# Allegro board 038RT-9068CJK8E-A100_0921.brd (continued)
## Placement (name value [footprint] x y rotation side) (continued)
SLOT5-DOWN  LPC128_27X6X2_SLOT05  [PG_3680_LPC128_A_SLOT5]  345.3 236.22 0 top
SLOT5-UP  LPC128_27X6X2_SLOT05  [PG_3680_LPC128_B_SLOT5]  345.3 236.22 0 top
SLOT6-DOWN  LPC128_27X6X2_SLOT06  [PG_3680_LPC128_A_SLOT6]  345.3 236.22 0 top
SLOT6-UP  LPC128_27X6X2_SLOT06  [PG_3680_LPC128_B_SLOT6]  345.3 236.22 0 top
SLOT7-DOWN  LPC128_27X6X2_SLOT07  [PG_3680_LPC128_A_SLOT7]  345.3 236.22 0 top
SLOT7-UP  LPC128_27X6X2_SLOT07  [PG_3680_LPC128_B_SLOT7]  345.3 236.22 0 top
SLOT16  Digital_Board  [PG_3680_EMPTY_SLOT16]  345.3 236.22 0 top
SLOT17  Digital_Board  [PG_3680_EMPTY_SLOT17]  345.3 236.22 0 top
SLOT18  SYS_Board  [PG_3680_SYS_SLOT18]  345.3 236.22 0 top
SLOT19  Digital_Board  [PG_3680_EMPTY_SLOT19]  345.3 236.22 0 top
SLOT20  Digital_Board  [PG_3680_EMPTY_SLOT20]  345.3 236.22 0 top
SLOT21  DPS32_24X6_SLOT21  [PG_3680_DPS32_SLOT21]  345.3 236.22 0 top
SLOT22  DPS32_24X6_SLOT22  [PG_3680_DPS32_SLOT22]  345.3 236.22 0 top
SLOT23  DPS32_24X6_SLOT23  [PG_3680_DPS32_SLOT23]  345.3 236.22 0 top
SLOT24  DPS32_24X6_SLOT24  [PG_3680_DPS32_SLOT24]  345.3 236.22 0 top
SPIH11  MX25L3233FM2I-08G-C-SO8/SK-SO8-1.27  [SK_SO8_1P27MM_LOTES]  190.72 34.42 180 top
SPIH21  MX25L3233FM2I-08G-C-SO8/SK-SO8-1.27  [SK_SO8_1P27MM_LOTES]  252.73 34.42 180 top
ST01  SHORT  [DEFAULT_SHORT_SMALL]  240.14 32.9 270 bottom
ST1  SHORT  [DEFAULT_SHORT_SMALL]  288.82 182.04 270 bottom
ST2  SHORT  [DEFAULT_SHORT_SMALL]  181.74 38.96 0 top
ST3  SHORT  [DEFAULT_SHORT_SMALL]  294.11 193.2 0 bottom
ST5  SHORT  [DEFAULT_SHORT_SMALL]  267.57 208.86 180 bottom
ST6  SHORT  [DEFAULT_SHORT_SMALL]  278.7 182.25 270 bottom
STB00  SHORT  [DEFAULT_SHORT_SMALL]  280.78 143.62 90 top
STB64  SHORT  [DEFAULT_SHORT_SMALL]  280.78 335.55 90 top
STG01  SHORT  [DEFAULT_SHORT_SMALL]  241.41 32.9 270 bottom
STG1  SHORT  [DEFAULT_SHORT_SMALL]  287.98 182.02 270 bottom
STG2  SHORT  [DEFAULT_SHORT_SMALL]  181.77 40.03 0 top
STG3  SHORT  [DEFAULT_SHORT_SMALL]  294.11 194.22 0 bottom
STG5  SHORT  [DEFAULT_SHORT_SMALL]  267.57 209.62 180 bottom
STG6  SHORT  [DEFAULT_SHORT_SMALL]  277.86 182.22 270 bottom
SWR1  SY8003EDFC-3A-A-DFN2X2-8  [DFN2X2_8P_1P9X0P5MM_EP]  119.28 33.62 0 top
T2  ACT1210L-201-2P-TL00  [FILTER_4P_9075AA]  64.82 192.31 0 top
T3  ACT1210L-201-2P-TL00  [FILTER_4P_9075AA]  64.82 187.1 0 top
T7  ACT1210L-201-2P-TL00  [FILTER_4P_9075AA]  248.28 206.12 0 bottom
T8  ACT1210L-201-2P-TL00  [FILTER_4P_9075AA]  240.73 202.57 180 bottom
T12  7490100161A  [TRANS_7490100161A_16P]  57.76 134.32 0 top
T13  7490100161A  [TRANS_7490100161A_16P]  57.76 114.78 0 top
T15  ACT1210L-201-2P-TL00  [FILTER_4P_9075AA]  240.73 210.19 180 bottom
T17  ACT1210L-201-2P-TL00  [FILTER_4P_9075AA]  248.28 213.74 0 bottom
T18  ACT1210G-800-2P-TL05  [FILTER_4P_9075AA]  287.2 219.69 270 bottom
T20  ACT1210L-201-2P-TL00  [FILTER_4P_9075AA]  79.61 203.02 0 bottom
T21  ACT1210L-201-2P-TL00  [FILTER_4P_9075AA]  79.61 198.32 0 bottom
T23  ACT1210G-800-2P-TL05  [FILTER_4P_9075AA]  293.8 219.69 270 bottom
T24  ACT1210G-800-2P-TL05  [FILTER_4P_9075AA]  59.89 210.62 0 top
T25  ACT1210G-800-2P-TL05  [FILTER_4P_9075AA]  59.89 215.26 0 top
TFBGA273-17X17-P0.8MM1  REF-CODE-SOCKET  [SOCKET_CODE]  72.91 496.48 0 top
TP_VN15  TP03-D  [TP_060_040]  343.7 48.72 90 top
TP_VP5A  TP03-D  [TP_060_040]  342.09 20.9 90 top
TP_VP5B  TP03-D  [TP_060_040]  350.11 20.9 90 top
TP_VP12  TP03-D  [TP_060_040]  343.7 52.35 90 top
TP_VP15  TP03-D  [TP_060_040]  343.7 39.42 90 top
TP_VP24  TP03-D  [TP_060_040]  343.7 30.12 90 top
TPL1  TPL01  [TPL_040_014_TB]  39.23 224.79 0 top
TPL2  TPL01  [TPL_040_014_TB]  39.23 222.25 0 top
TPL3  TPL01  [TPL_040_014_TB]  39.23 219.71 0 top
TPL4  TPL01  [TPL_040_014_TB]  39.23 217.17 0 top
TPL5  TPL01  [TPL_040_014_TB]  39.23 214.63 0 top
TPL6  TPL01  [TPL_040_014_TB]  39.23 212.09 0 top
TPL7  TPL01  [TPL_040_014_TB]  39.23 209.55 0 top
TPL8  TPL01  [TPL_040_014_TB]  39.23 207.01 0 top
TPL9  TPL01  [TPL_040_014_TB]  39.23 204.47 0 top
TPL10  TPL01  [TPL_040_014_TB]  39.23 201.93 0 top
TPL11  TPL01  [TPL_040_014_TB]  39.23 199.39 0 top
TPL12  TPL01  [TPL_040_014_TB]  39.23 196.85 0 top
TPL13  TPL01  [TPL_040_014_TB]  632.32 38.1 0 top
TPL14  TPL01  [TPL_040_014_TB]  632.32 35.56 0 top
TPL15  TPL01  [TPL_040_014_TB]  632.32 33.02 0 top
TPL16  TPL01  [TPL_040_014_TB]  632.32 30.48 0 top
TPL17  TPL01  [TPL_040_014_TB]  632.32 27.94 0 top
TPL18  TPL01  [TPL_040_014_TB]  636.13 41.91 0 top
TPL19  TPL01  [TPL_040_014_TB]  636.13 39.37 0 top
TPL20  TPL01  [TPL_040_014_TB]  636.13 36.83 0 top
TPL21  TPL01  [TPL_040_014_TB]  636.13 34.29 0 top
TPL22  TPL01  [TPL_040_014_TB]  636.13 31.75 0 top
TPL23  TPL01  [TPL_040_014_TB]  636.13 29.21 0 top
TPL24  TPL01  [TPL_040_014_TB]  636.13 26.67 0 top
U6  CU/PI2LVD512AE-TSSOP64  [TSOP64_280X05MM]  35.42 41.91 0 bottom
U17  CU/PI2LVD512AE-TSSOP64  [TSOP64_280X05MM]  24.94 95.25 180 bottom
U18  CU/PI2LVD512AE-TSSOP64  [TSOP64_280X05MM]  24.94 114.3 180 bottom
UB1  25LC256-SOIC8  [SO8_206X127MM]  601.48 44.72 180 bottom
UNK1BD1  BD80-5A-S8-LA  [FB0805]  405.49 188.87 180 bottom
UNK1BD2  BD80-5A-S8-LA  [FB0805]  400.93 187.39 0 bottom
UNK1BD5  BD80-5A-S8-LA  [FB0805]  390.38 206.52 270 bottom
UNK1BD8  BD80-5A-S8-LA  [FB0805]  390.38 214.39 270 bottom
UNK1BD9  BD80-5A-S8-LA  [FB0805]  422.5 202.69 90 bottom
UNK1BD10  BD80-5A-S8-LA  [FB0805]  422.5 206.62 270 bottom
UNK1BD15  BD220-3A-S8  [FB0805]  351 218.76 180 bottom
UNK1BD16  BD220-3A-S8  [FB0805]  386.38 182.25 180 bottom
UNK1BD17  BD220-3A-S8  [FB0805]  423.72 182.25 180 bottom
UNK1BD18  BD220-3A-S8  [FB0805]  431.16 221.81 180 bottom
UNK1BD19  BD80-5A-S8-LA  [FB0805]  405.49 186.33 180 bottom
UNK1BD20  BD80-5A-S8-LA  [FB0805]  405.49 183.79 180 bottom
UNK1BDG1  BD80-5A-S8-LA  [FB0805]  580.65 205.14 90 bottom
UNK1BDG2  BD80-5A-S8-LA  [FB0805]  579.16 210.33 270 bottom
UNK1BDG5  BD80-5A-S8-LA  [FB0805]  598.3 221.65 180 bottom
UNK1BDG8  BD80-5A-S8-LA  [FB0805]  606.17 221.65 180 bottom
UNK1BDG9  BD80-5A-S8-LA  [FB0805]  594.18 189.02 0 bottom
UNK1BDG10  BD80-5A-S8-LA  [FB0805]  598.11 189.02 180 bottom
UNK1BDG15  BD220-3A-S8  [FB0805]  617.71 232.99 0 bottom
UNK1BDG16  BD220-3A-S8  [FB0805]  617.71 176.16 0 bottom
UNK1BDG17  BD220-3A-S8  [FB0805]  567.55 176.21 270 top
UNK1BDG18  BD220-3A-S8  [FB0805]  573.69 227.45 270 bottom
UNK1BDG19  BD80-5A-S8-LA  [FB0805]  578.11 205.14 90 bottom
UNK1BDG20  BD80-5A-S8-LA  [FB0805]  575.57 205.14 90 bottom
UNK1BDH11  BD80-5A-S8-LA  [FB0805]  470.67 214.05 180 bottom
UNK1BDH12  BD80-5A-S8-LA  [FB0805]  470.67 216.84 180 bottom
UNK1BDH13  BD80-5A-S8-LA  [FB0805]  444.69 185.39 0 bottom
UNK1BDH14  BD80-5A-S8-LA  [FB0805]  381.93 182.25 180 bottom
UNK1BDH21  BD80-5A-S8-LA  [FB0805]  426.3 57.38 270 bottom
UNK1BDH22  BD80-5A-S8-LA  [FB0805]  426.3 52.17 90 bottom
UNK1BDH23  BD80-5A-S8-LA  [FB0805]  489.24 56.41 180 bottom
UNK1BDH24  BD80-5A-S8-LA  [FB0805]  489.24 53.14 180 bottom
UNK1C13  47U-35-Y-S6.1X5.3-MU  [CKRM55WR7YA476MH01]  587.69 25.75 90 top
UNK1C18  10U-16-X7R-S8-SS  [C0805]  593.64 51.34 0 top
UNK1C19  0.1U-16-X7R-S4-TY  [C0402]  593.19 49.11 0 top
UNK1C75  18P-50-N-S4-SS  [C0402]  604.76 193.46 0 bottom
UNK1C76  18P-50-N-S4-SS  [C0402]  606.79 193.46 180 bottom
UNK1C78  0.1U-100-X-S8  [C0805]  547.9 24.32 0 top
UNK1C79  NC/10U-100-Y-S6.1X5.3-MU  [CKRM55TR72A106MH01]  549.97 19.23 0 top
UNK1C119  1000P-2K-X-SA  [C1206]  628.37 108.18 90 top
UNK1C144  10U-16-X7R-S8-SS  [C0805]  647.94 227.6 0 bottom
UNK1C145  10U-16-X7R-S8-SS  [C0805]  660.51 220.71 180 bottom
UNK1C168  18P-50-N-S4-SS  [C0402]  439.03 214.33 90 bottom
UNK1C169  18P-50-N-S4-SS  [C0402]  439.03 212.13 270 bottom
UNK1C171  0.01U-50-X7R-S4-YA  [C0402]  636.62 140.42 90 top
UNK1C172  1000P-2K-X-SA  [C1206]  628.37 127.72 90 top
UNK1C173  10U-16-X7R-S8-SS  [C0805]  660.07 21.27 0 bottom
UNK1C174  0.1U-16-X7R-S4-TY  [C0402]  667.8 68.19 90 bottom
UNK1C175  0.01U-50-X7R-S4-YA  [C0402]  669.78 70.99 90 bottom
UNK1C176  1000P-50-N-S4-SS  [C0402]  668.51 42.74 90 bottom
UNK1C177  0.01U-50-X7R-S4-YA  [C0402]  671.05 42.74 90 bottom
UNK1C178  0.1U-16-X7R-S4-TY  [C0402]  669.78 42.74 90 bottom
UNK1C179  0.1U-50-X-S6  [C0603]  630.82 220.77 0 top
UNK1C180  0.1U-50-X-S6  [C0603]  630.82 219.37 0 top
UNK1C181  4700P-50-X7R-S4-YA  [C0402]  633.37 218.1 180 top
UNK1C182  4700P-50-X7R-S4-YA  [C0402]  633.37 222.04 180 top
UNK1C183  0.1U-50-X-S6  [C0603]  630.82 225.98 0 top
UNK1C184  0.1U-50-X-S6  [C0603]  630.82 224.58 0 top
UNK1C185  10U-16-X7R-S8-SS  [C0805]  553.58 198.41 180 bottom
UNK1C194  4700P-50-X7R-S4-YA  [C0402]  358.41 206.82 180 bottom
UNK1C195  0.1U-50-X-S6  [C0603]  363.12 206.82 180 bottom
UNK1C196  0.1U-50-X-S6  [C0603]  363.12 205.42 180 bottom
UNK1C197  4700P-50-X7R-S4-YA  [C0402]  370.6 201.86 0 bottom
UNK1C198  0.1U-50-X-S6  [C0603]  365.89 201.86 0 bottom
UNK1C199  0.1U-50-X-S6  [C0603]  365.89 203.27 0 bottom
UNK1C209  10U-16-X7R-S8-SS  [C0805]  669.46 125.92 90 bottom
UNK1C213  10U-16-X7R-S8-SS  [C0805]  445.46 199.86 180 bottom
UNK1C214  10U-16-X7R-S8-SS  [C0805]  467.68 199.86 180 bottom
UNK1C217  10U-16-X7R-S8-SS  [C0805]  553.58 214.56 180 bottom
UNK1C220  10U-16-X7R-S8-SS  [C0805]  669.46 84.65 270 bottom
UNK1C292  100U-35-E-S6.3X7.7-NI  [EC_6P3X7P7MM_S]  584 49.14 270 top
UNK1C319  0.01U-50-X7R-S4-YA  [C0402]  668.51 38.61 90 bottom
UNK1C320  0.1U-16-X7R-S4-TY  [C0402]  669.78 38.61 90 bottom
UNK1C321  1000P-50-N-S4-SS  [C0402]  668.51 20.83 90 bottom
UNK1C322  0.01U-50-X7R-S4-YA  [C0402]  665.97 20.83 90 bottom
UNK1C323  0.1U-16-X7R-S4-TY  [C0402]  667.24 20.83 90 bottom
UNK1C324  0.01U-50-X7R-S4-YA  [C0402]  636.62 120.88 90 top
UNK1C325  NC/100U-100-E-S17.2X17.2-PAN  [ECS_19P1X19P1MM]  656.68 72.76 0 top
UNK1C375  4700P-50-X7R-S4-YA  [C0402]  370.6 209.48 0 bottom
UNK1C376  0.1U-50-X-S6  [C0603]  365.89 209.48 0 bottom
UNK1C377  0.1U-50-X-S6  [C0603]  365.89 210.89 0 bottom
UNK1C379  4700P-50-X7R-S4-YA  [C0402]  358.41 214.44 180 bottom
UNK1C381  0.1U-50-X-S6  [C0603]  363.12 213.04 180 bottom
UNK1C383  0.1U-50-X-S6  [C0603]  363.12 214.44 180 bottom
UNK1C384  0.1U-50-X-S6  [C0603]  406.49 224.71 90 bottom
UNK1C385  0.1U-50-X-S6  [C0603]  407.9 224.71 90 bottom
UNK1C391  4700P-50-X-S6  [C0603]  405.64 230.56 180 bottom
UNK1C399  4700P-50-X7R-S4-YA  [C0402]  618.58 207.4 180 bottom
UNK1C401  0.1U-50-X-S6  [C0603]  616.02 213.37 0 bottom
UNK1C402  0.1U-50-X-S6  [C0603]  616.02 210.07 0 bottom
UNK1C405  0.1U-50-X-S6  [C0603]  616.02 214.77 0 bottom
UNK1C406  4700P-50-X7R-S4-YA  [C0402]  618.58 212.1 180 bottom
UNK1C407  0.1U-50-X-S6  [C0603]  616.02 208.67 0 bottom
UNK1C412  0.1U-50-X-S6  [C0603]  413.1 224.71 90 bottom
UNK1C413  0.1U-50-X-S6  [C0603]  414.5 224.71 90 bottom
UNK1C418  4700P-50-X-S6  [C0603]  412.25 230.56 180 bottom
UNK1C421  0.1U-50-X-S6  [C0603]  635.73 202.52 0 top
UNK1C422  0.1U-50-X-S6  [C0603]  635.73 201.12 0 top
UNK1C427  4700P-50-X-S6  [C0603]  642.38 202.52 0 top
UNK1C430  0.1U-50-X-S6  [C0603]  635.73 197.88 0 top
UNK1C431  0.1U-50-X-S6  [C0603]  635.73 196.48 0 top
UNK1C436  4700P-50-X-S6  [C0603]  642.38 197.88 0 top
UNK1C439  NC/4.7P-50-N-S4-MU  [C0402]  669.54 213.27 180 top
UNK1C440  NC/4.7P-50-N-S4-MU  [C0402]  676.54 213.27 180 top
UNK1C441  NC/4.7P-50-N-S4-MU  [C0402]  669.54 232.32 180 top
UNK1C442  NC/4.7P-50-N-S4-MU  [C0402]  676.54 232.32 180 top
UNK1CD1  0.1U-16-X7R-S4-TY  [C0402_UNBGA_V2]  404.1 208.62 0 bottom
UNK1CD2  0.1U-16-X7R-S4-TY  [C0402_UNBGA_V2]  404.9 207.82 0 bottom
UNK1CD3  0.1U-16-X7R-S4-TY  [C0402_UNBGA_V2]  404.9 207.02 0 bottom
UNK1CD4  0.1U-16-X7R-S4-TY  [C0402_UNBGA_V2]  404.9 206.22 0 bottom
UNK1CD5  0.1U-16-X7R-S4-TY  [C0402_UNBGA_V2]  404.9 205.42 0 bottom
UNK1CD6  0.1U-16-X7R-S4-TY  [C0402_UNBGA_V2]  406.1 203.42 270 bottom
UNK1CD7  2.2U-10-X7S-S4-MU  [C0402_UNBGA_V2]  406.9 203.42 270 bottom
UNK1CD8  2.2U-10-X7S-S4-MU  [C0402_UNBGA_V2]  404.5 211.42 270 bottom
UNK1CD9  0.1U-16-X7R-S4-TY  [C0402_UNBGA_V2]  406.1 205.02 90 bottom
UNK1CD10  0.1U-16-X7R-S4-TY  [C0402_UNBGA_V2]  404.5 209.82 90 bottom
UNK1CD11  0.1U-16-X7R-S4-TY  [C0402_UNBGA_V2]  405.3 209.02 270 bottom
UNK1CD12  0.1U-16-X7R-S4-TY  [C0402_UNBGA_V2]  405.3 211.42 270 bottom
UNK1CD13  0.1U-16-X7R-S4-TY  [C0402_UNBGA_V2]  405.3 203.42 270 bottom
UNK1CD14  0.1U-16-X7R-S4-TY  [C0402_UNBGA_V2]  406.1 209.02 270 bottom
UNK1CD15  0.1U-16-X7R-S4-TY  [C0402_UNBGA_V2]  405.53 194.75 180 bottom
UNK1CD16  2.2U-10-X7S-S4-MU  [C0402_UNBGA_V2]  400.1 207.82 0 bottom
UNK1CD17  0.1U-16-X7R-S4-TY  [C0402_UNBGA_V2]  399.7 206.62 270 bottom
UNK1CD18  2.2U-10-X7S-S4-MU  [C0402_UNBGA_V2]  406.9 211.42 270 bottom
UNK1CD19  0.1U-16-X7R-S4-TY  [C0402_UNBGA_V2]  405.53 193.92 180 bottom
UNK1CD20  10U-16-X7R-S8-SS  [C0805]  347.95 24.13 180 top
UNK1CD21  10U-16-X7R-S8-SS  [C0805]  353.03 43.18 180 top
UNK1CD22  47U-10-X7R-SB-MU  [C1210]  347.95 28.57 90 top
UNK1CD23  47U-10-X7R-SB-MU  [C1210]  353.03 28.57 90 top
UNK1CD24  NC/100U-16-T-SC  [CODE_C]  353.03 36.83 90 top
UNK1CD25  NC/100U-16-T-SC  [CODE_C]  347.95 36.83 90 top
UNK1CD26  0.1U-16-X7R-S4-TY  [C0402_UNBGA_V2]  408.9 211.02 180 bottom
UNK1CD27  0.1U-16-X7R-S4-TY  [C0402_UNBGA_V2]  404.1 213.42 0 bottom
UNK1CD28  0.1U-16-X7R-S4-TY  [C0402_UNBGA_V2]  403.7 211.42 90 bottom
UNK1CD29  0.1U-16-X7R-S4-TY  [C0402_UNBGA_V2]  403.7 200.22 90 bottom
UNK1CD30  0.1U-16-X7R-S4-TY  [C0402_UNBGA_V2]  406.9 209.82 90 bottom
UNK1CD31  0.1U-16-X7R-S4-TY  [C0402_UNBGA_V2]  410.5 210.22 0 bottom
UNK1CD32  0.1U-16-X7R-S4-TY  [C0402_UNBGA_V2]  408.9 210.22 180 bottom
UNK1CD33  0.1U-16-X7R-S4-TY  [C0402_UNBGA_V2]  406.1 200.22 90 bottom
UNK1CD34  0.1U-16-X7R-S4-TY  [C0402_UNBGA_V2]  407.7 201.82 90 bottom
UNK1CD35  0.1U-16-X7R-S4-TY  [C0402_UNBGA_V2]  401.3 200.22 90 bottom
UNK1CD36  0.1U-16-X7R-S4-TY  [C0402_UNBGA_V2]  407.7 209.82 90 bottom
UNK1CD37  0.1U-16-X7R-S4-TY  [C0402_UNBGA_V2]  406.9 201.02 90 bottom
UNK1CD38  0.1U-16-X7R-S4-TY  [C0402_UNBGA_V2]  408.9 211.82 180 bottom
UNK1CD39  2.2U-10-X7S-S4-MU  [C0402_UNBGA_V2]  408.5 201.82 90 bottom
UNK1CD40  2.2U-10-X7S-S4-MU  [C0402_UNBGA_V2]  410.1 211.42 90 bottom
UNK1CD41  2.2U-10-X7S-S4-MU  [C0402_UNBGA_V2]  400.5 200.22 90 bottom
UNK1CD42  0.1U-16-X7R-S4-TY  [C0402_UNBGA_V2]  402.9 201.02 90 bottom
UNK1CD43  2.2U-10-X7S-S4-MU  [C0402_UNBGA_V2]  400.1 210.22 180 bottom
UNK1CD44  0.1U-16-X7R-S4-TY  [C0402_UNBGA_V2]  405.3 200.22 90 bottom
UNK1CD45  10U-16-X7R-S8-SS  [C0805]  363.25 34.49 0 top
UNK1CD46  10U-16-X7R-S8-SS  [C0805]  363.25 37.01 0 top
UNK1CD47  47U-10-X7R-SB-MU  [C1210]  358.37 38.91 180 top
UNK1CD48  NC/100U-16-T-SC  [CODE_C]  360.02 29.51 180 top
UNK1CD49  47U-10-X7R-SB-MU  [C1210]  358.37 34.34 180 top
UNK1CD50  NC/100U-16-T-SC  [CODE_C]  360.02 25.07 180 top
UNK1CD51  0.1U-16-X7R-S4-TY  [C0402_UNBGA_V2]  410.5 208.62 0 bottom
UNK1CD52  0.1U-16-X7R-S4-TY  [C0402_UNBGA_V2]  407.7 212.22 270 bottom
UNK1CD53  0.1U-16-X7R-S4-TY  [C0402_UNBGA_V2]  410.5 209.42 0 bottom
UNK1CD54  0.1U-16-X7R-S4-TY  [C0402_UNBGA_V2]  410.9 212.22 270 bottom
UNK1CD55  0.1U-16-X7R-S4-TY  [C0402_UNBGA_V2]  401.3 211.42 90 bottom
UNK1CD56  0.1U-16-X7R-S4-TY  [C0402_UNBGA_V2]  402.1 211.42 90 bottom
UNK1CD57  2.2U-10-X7S-S4-MU  [C0402_UNBGA_V2]  408.5 213.02 90 bottom
UNK1CD58  0.1U-16-X7R-S4-TY  [C0402_UNBGA_V2]  402.9 211.42 90 bottom
UNK1CD59  0.1U-16-X7R-S4-TY  [C0402_UNBGA_V2]  408.9 208.62 180 bottom
UNK1CD60  0.1U-16-X7R-S4-TY  [C0402_UNBGA_V2]  409.3 201.02 270 bottom
UNK1CD61  2.2U-10-X7S-S4-MU  [C0402_UNBGA_V2]  406.5 212.62 180 bottom
UNK1CD62  2.2U-10-X7S-S4-MU  [C0402_UNBGA_V2]  400.1 211.02 180 bottom
UNK1CD63  2.2U-10-X7S-S4-MU  [C0402_UNBGA_V2]  411.7 212.22 270 bottom
UNK1CD64  2.2U-10-X7S-S4-MU  [C0402_UNBGA_V2]  404.5 201.02 270 bottom
UNK1CD65  2.2U-10-X7S-S4-MU  [C0402_UNBGA_V2]  408.9 209.42 180 bottom
UNK1CD66  2.2U-10-X7S-S4-MU  [C0402_UNBGA_V2]  400.1 211.82 180 bottom
UNK1CD67  2.2U-10-X7S-S4-MU  [C0402_UNBGA_V2]  410.1 201.02 270 bottom
UNK1CD68  0.1U-16-X7R-S4-TY  [C0402_UNBGA_V2]  402.1 209.82 270 bottom
UNK1CD69  2.2U-10-X7S-S4-MU  [C0402_UNBGA_V2]  405.7 210.22 180 bottom
UNK1CD70  2.2U-10-X7S-S4-MU  [C0402_UNBGA_V2]  405.3 201.82 90 bottom
UNK1CD71  0.1U-16-X7R-S4-TY  [C0402_UNBGA_V2]  402.9 209.82 270 bottom
UNK1CD72  0.1U-16-X7R-S4-TY  [C0402_UNBGA_V2]  401.7 208.62 0 bottom
UNK1CD73  0.1U-16-X7R-S4-TY  [C0402_UNBGA_V2]  403.7 209.82 90 bottom
UNK1CD74  10U-16-X7R-S8-SS  [C0805]  386.09 202.71 270 bottom
UNK1CD75  10U-16-X7R-S8-SS  [C0805]  514.56 25.65 180 top
UNK1CD76  47U-10-X7R-SB-MU  [C1210]  514.56 30.1 90 top
UNK1CD77  NC/100U-16-T-SC  [CODE_C]  514.56 38.35 90 top
UNK1CD78  47U-10-X7R-SB-MU  [C1210]  519.64 30.1 90 top
UNK1CD79  NC/100U-16-T-SC  [CODE_C]  519.64 38.35 90 top
UNK1CD80  1U-16-X-S6-TY  [C0603]  405.52 192.77 180 bottom
UNK1CD81  10U-16-X7R-S8-SS  [C0805]  405.49 191.02 180 bottom
UNK1CD82  1U-16-X-S6-TY  [C0603]  400.93 191.29 0 bottom
UNK1CD83  0.1U-16-X7R-S4-TY  [C0402_UNBGA_V2]  408.1 204.62 0 bottom
UNK1CD84  0.1U-16-X7R-S4-TY  [C0402_UNBGA_V2]  407.7 203.42 270 bottom
UNK1CD85  0.1U-16-X7R-S4-TY  [C0402_UNBGA_V2]  408.5 203.42 270 bottom
UNK1CD86  10U-16-X7R-S8-SS  [C0805]  400.9 189.53 0 bottom
UNK1CD87  1U-16-X-S6-TY  [C0603]  394.28 202.7 90 bottom
UNK1CD88  10U-16-X7R-S8-SS  [C0805]  392.53 202.73 90 bottom
UNK1CD89  0.1U-16-X7R-S4-TY  [C0402_UNBGA_V2]  415.15 190.4 180 bottom
UNK1CD90  1U-16-X-S6-TY  [C0603]  394.28 206.51 270 bottom
UNK1CD91  0.1U-16-X7R-S4-TY  [C0402_UNBGA_V2]  408.1 200.59 180 bottom
UNK1CD92  0.1U-16-X7R-S4-TY  [C0402_UNBGA_V2]  410.9 204.22 90 bottom
UNK1CD93  10U-16-X7R-S8-SS  [C0805]  519.64 25.65 180 top
UNK1CD94  10U-16-X7R-S8-SS  [C0805]  415.13 181.7 0 bottom
UNK1CD95  47U-10-X7R-SB-MU  [C1210]  509.38 46.35 90 top
UNK1CD96  10U-16-X7R-S8-SS  [C0805]  392.53 206.54 270 bottom
UNK1CD97  47U-10-X7R-SB-MU  [C1210]  509.38 52.71 90 top
UNK1CD98  1U-16-X-S6-TY  [C0603]  411.1 191.32 180 bottom
UNK1CD99  10U-16-X7R-S8-SS  [C0805]  411.08 189.57 180 bottom
UNK1CD100  1U-16-X-S6-TY  [C0603]  415.14 189.26 180 bottom
UNK1CD104  1U-16-X-S6-TY  [C0603]  394.28 214.38 270 bottom
UNK1CD105  10U-16-X7R-S8-SS  [C0805]  392.53 214.41 270 bottom
UNK1CD106  1U-16-X-S6-TY  [C0603]  418.6 202.7 90 bottom
UNK1CD107  10U-16-X7R-S8-SS  [C0805]  420.35 202.67 90 bottom
UNK1CD108  10U-16-X7R-S8-SS  [C0805]  395.58 189.53 180 bottom
UNK1CD109  1U-16-X-S6-TY  [C0603]  405.49 181.57 0 bottom
UNK1CD110  1U-16-X-S6-TY  [C0603]  400.93 185.5 180 bottom
UNK1CD111  1U-16-X-S6-TY  [C0603]  388.11 202.71 270 bottom
UNK1CD112  1U-16-X-S6-TY  [C0603]  415.13 183.46 0 bottom
UNK1CD113  1U-10-X7R-S8  [C0805]  388.11 206.52 90 bottom
UNK1CD114  22U-10-X7S-S8-TDK  [C0805]  392.25 210.13 180 bottom
UNK1CD115  10U-16-X7R-S8-SS  [C0805]  386.09 206.52 90 bottom
UNK1CD116  10U-16-X7R-S8-SS  [C0805]  509.48 25.65 180 top
UNK1CD117  NC/100U-16-T-SC  [CODE_C]  514.56 54.23 90 top
UNK1CD118  47U-10-X7R-SB-MU  [C1210]  519.64 45.97 90 top
UNK1CD119  47U-10-X7R-SB-MU  [C1210]  514.56 45.97 90 top
UNK1CD120  NC/100U-16-T-SC  [CODE_C]  519.64 54.23 90 top
UNK1CD121  10U-16-X7R-S8-SS  [C0805]  499.32 25.65 180 top
UNK1CD122  10U-16-X7R-S8-SS  [C0805]  494.24 25.65 180 top
UNK1CD123  47U-10-X7R-SB-MU  [C1210]  499.32 30.1 90 top
UNK1CD124  NC/100U-16-T-SC  [CODE_C]  494.24 38.35 90 top
UNK1CD125  47U-10-X7R-SB-MU  [C1210]  494.24 30.1 90 top
UNK1CD126  NC/100U-16-T-SC  [CODE_C]  499.32 38.35 90 top
UNK1CD127  0.1U-16-X7R-S4-TY  [C0402_UNBGA_V2]  402.5 205.42 180 bottom
UNK1CD128  0.1U-16-X7R-S4-TY  [C0402_UNBGA_V2]  404.1 203.02 180 bottom
UNK1CD129  0.1U-16-X7R-S4-TY  [C0402_UNBGA_V2]  402.1 202.62 90 bottom
UNK1CD130  0.1U-16-X7R-S4-TY  [C0402_UNBGA_V2]  402.1 204.22 270 bottom
UNK1CD131  0.1U-16-X7R-S4-TY  [C0402_UNBGA_V2]  399.7 204.22 270 bottom
UNK1CD132  0.1U-16-X7R-S4-TY  [C0402_UNBGA_V2]  399.7 202.62 270 bottom
UNK1CD133  0.1U-16-X7R-S4-TY  [C0402_UNBGA_V2]  399.7 201.02 270 bottom
UNK1CD134  2.2U-10-X7S-S4-MU  [C0402_UNBGA_V2]  402.1 201.02 270 bottom
UNK1CD135  1U-16-X-S6-TY  [C0603]  395.6 183.46 0 bottom
UNK1CD136  2.2U-10-X7S-S4-MU  [C0402_UNBGA_V2]  397.7 209.42 180 bottom
UNK1CD137  0.1U-16-X7R-S4-TY  [C0402_UNBGA_V2]  399.3 209.42 0 bottom
UNK1CD138  0.1U-16-X7R-S4-TY  [C0402_UNBGA_V2]  397.3 213.02 90 bottom
UNK1CD139  0.1U-16-X7R-S4-TY  [C0402_UNBGA_V2]  398.5 212.62 0 bottom
UNK1CD140  1U-16-X-S6-TY  [C0603]  418.6 206.64 270 bottom
UNK1CD141  10U-16-X7R-S8-SS  [C0805]  420.35 206.61 270 bottom
UNK1CD142  10U-16-X7R-S8-SS  [C0805]  415.11 187.5 180 bottom
UNK1CD143  1U-16-X-S6-TY  [C0603]  395.61 191.29 180 bottom
UNK1CD144  1U-16-X-S6-TY  [C0603]  388.11 214.39 90 bottom
UNK1CD145  2.2U-10-X7S-S4-MU  [C0402_UNBGA_V2]  412.9 202.22 0 bottom
UNK1CD146  0.1U-16-X7R-S4-TY  [C0402_UNBGA_V2]  417.46 202.71 90 bottom
UNK1CD147  0.1U-16-X7R-S4-TY  [C0402_UNBGA_V2]  410.9 202.62 90 bottom
UNK1CD148  0.1U-16-X7R-S4-TY  [C0402_UNBGA_V2]  411.3 201.42 180 bottom
UNK1CD149  1U-16-X-S6-TY  [C0603]  424.39 202.69 270 bottom
UNK1CD150  2.2U-10-X7S-S4-MU  [C0402_UNBGA_V2]  412.9 207.82 0 bottom
UNK1CD151  0.1U-16-X7R-S4-TY  [C0402_UNBGA_V2]  411.3 207.82 180 bottom
UNK1CD152  0.1U-16-X7R-S4-TY  [C0402_UNBGA_V2]  411.3 211.02 180 bottom
UNK1CD154  1U-16-X-S6-TY  [C0603]  424.39 206.62 90 bottom
UNK1CD155  10U-16-X7R-S8-SS  [C0805]  411.09 183.76 0 bottom
UNK1CD156  10U-16-X7R-S8-SS  [C0805]  504.4 25.65 180 top
UNK1CD157  NC/100U-16-T-SC  [CODE_C]  504.4 38.35 90 top
UNK1CD158  47U-10-X7R-SB-MU  [C1210]  504.4 30.1 90 top
UNK1CD159  47U-10-X7R-SB-MU  [C1210]  509.48 30.1 90 top
UNK1CD160  NC/100U-16-T-SC  [CODE_C]  509.48 38.35 90 top
UNK1CD161  2.2U-10-X7S-S4-MU  [C0402_UNBGA_V2]  406.5 207.82 180 bottom
UNK1CD162  0.1U-16-X7R-S4-TY  [C0402_UNBGA_V2]  406.5 207.02 180 bottom
UNK1CD163  0.1U-16-X7R-S4-TY  [C0402_UNBGA_V2]  402.5 207.02 180 bottom
UNK1CD164  0.1U-16-X7R-S4-TY  [C0402_UNBGA_V2]  402.5 206.22 180 bottom
UNK1CD165  0.1U-16-X7R-S4-TY  [C0402_UNBGA_V2]  408.1 207.02 0 bottom
UNK1CD166  0.1U-16-X7R-S4-TY  [C0402_UNBGA_V2]  408.1 207.82 0 bottom
UNK1CD167  1U-16-X-S6-TY  [C0603]  411.09 185.53 0 bottom
UNK1CD168  22U-10-X7S-S8-TDK  [C0805]  351 222.25 180 bottom
UNK1CD169  10U-16-X7R-S8-SS  [C0805]  353.03 24.13 180 top
UNK1CD170  10U-16-X7R-S8-SS  [C0805]  347.95 43.18 180 top
UNK1CD171  47U-10-X7R-SB-MU  [C1210]  353.03 47.62 90 top
UNK1CD172  NC/100U-16-T-SC  [CODE_C]  347.95 55.88 90 top
UNK1CD173  47U-10-X7R-SB-MU  [C1210]  347.95 47.62 90 top
UNK1CD174  NC/100U-16-T-SC  [CODE_C]  353.03 55.88 90 top
UNK1CD175  0.1U-16-X7R-S4-TY  [C0402]  490.87 241.24 90 bottom
UNK1CD176  0.1U-16-X7R-S4-TY  [C0402]  501.49 241.24 90 bottom
UNK1CD177  0.1U-16-X7R-S4-TY  [C0402]  512.06 241.24 90 bottom
UNK1CD178  10U-16-X7R-S8-SS  [C0805]  400.93 181.7 180 bottom
UNK1CD179  10U-16-X7R-S8-SS  [C0805]  400.93 183.73 180 bottom
UNK1CD180  10U-16-X7R-S8-SS  [C0805]  395.6 181.7 0 bottom
UNK1CD181  10U-16-X7R-S8-SS  [C0805]  386.09 214.39 90 bottom
UNK1CD182  10U-16-X7R-S8-SS  [C0805]  426.3 202.69 270 bottom
UNK1CD183  10U-16-X7R-S8-SS  [C0805]  426.3 206.62 90 bottom
UNK1CG1  0.1U-16-X7R-S4-TY  [C0402_UNBGA_V2]  600.4 207.42 270 bottom
UNK1CG2  0.1U-16-X7R-S4-TY  [C0402_UNBGA_V2]  599.6 206.62 270 bottom
UNK1CG3  0.1U-16-X7R-S4-TY  [C0402_UNBGA_V2]  598.8 206.62 270 bottom
UNK1CG4  0.1U-16-X7R-S4-TY  [C0402_UNBGA_V2]  598 206.62 270 bottom
UNK1CG5  0.1U-16-X7R-S4-TY  [C0402_UNBGA_V2]  597.2 206.62 270 bottom
UNK1CG6  0.1U-16-X7R-S4-TY  [C0402_UNBGA_V2]  595.2 205.42 180 bottom
UNK1CG7  2.2U-10-X7S-S4-MU  [C0402_UNBGA_V2]  595.2 204.62 180 bottom
UNK1CG8  2.2U-10-X7S-S4-MU  [C0402_UNBGA_V2]  603.2 207.02 180 bottom
UNK1CG9  0.1U-16-X7R-S4-TY  [C0402_UNBGA_V2]  596.8 205.42 0 bottom
UNK1CG10  0.1U-16-X7R-S4-TY  [C0402_UNBGA_V2]  601.6 207.02 0 bottom
UNK1CG11  0.1U-16-X7R-S4-TY  [C0402_UNBGA_V2]  600.8 206.22 180 bottom
UNK1CG12  0.1U-16-X7R-S4-TY  [C0402_UNBGA_V2]  603.2 206.22 180 bottom
UNK1CG13  0.1U-16-X7R-S4-TY  [C0402_UNBGA_V2]  595.2 206.22 180 bottom
UNK1CG14  0.1U-16-X7R-S4-TY  [C0402_UNBGA_V2]  600.8 205.42 180 bottom
UNK1CG15  0.1U-16-X7R-S4-TY  [C0402_UNBGA_V2]  586.52 205.07 90 bottom
UNK1CG16  2.2U-10-X7S-S4-MU  [C0402_UNBGA_V2]  599.6 211.42 270 bottom
UNK1CG17  0.1U-16-X7R-S4-TY  [C0402_UNBGA_V2]  598.4 211.82 180 bottom
UNK1CG18  2.2U-10-X7S-S4-MU  [C0402_UNBGA_V2]  603.2 204.62 180 bottom
UNK1CG19  0.1U-16-X7R-S4-TY  [C0402_UNBGA_V2]  585.69 205.07 90 bottom
UNK1CG20  10U-16-X7R-S8-SS  [C0805]  610.73 166.37 180 top
UNK1CG21  10U-16-X7R-S8-SS  [C0805]  617.08 166.37 180 top
UNK1CG22  47U-10-X7R-SB-MU  [C1210]  610.73 161.29 270 top
UNK1CG23  47U-10-X7R-SB-MU  [C1210]  617.08 161.29 270 top
UNK1CG24  NC/100U-16-T-SC  [CODE_C]  617.08 152.4 270 top
UNK1CG25  NC/100U-16-T-SC  [CODE_C]  610.73 152.4 270 top
UNK1CG26  0.1U-16-X7R-S4-TY  [C0402_UNBGA_V2]  602 211.42 90 bottom
UNK1CG27  0.1U-16-X7R-S4-TY  [C0402_UNBGA_V2]  605.2 207.42 270 bottom
UNK1CG28  0.1U-16-X7R-S4-TY  [C0402_UNBGA_V2]  603.2 207.82 0 bottom
UNK1CG29  0.1U-16-X7R-S4-TY  [C0402_UNBGA_V2]  592 211.02 0 bottom
UNK1CG30  0.1U-16-X7R-S4-TY  [C0402_UNBGA_V2]  601.6 204.62 0 bottom